# Altium PCB base-32-bit.PcbDoc (part 1 of 3) (continued)
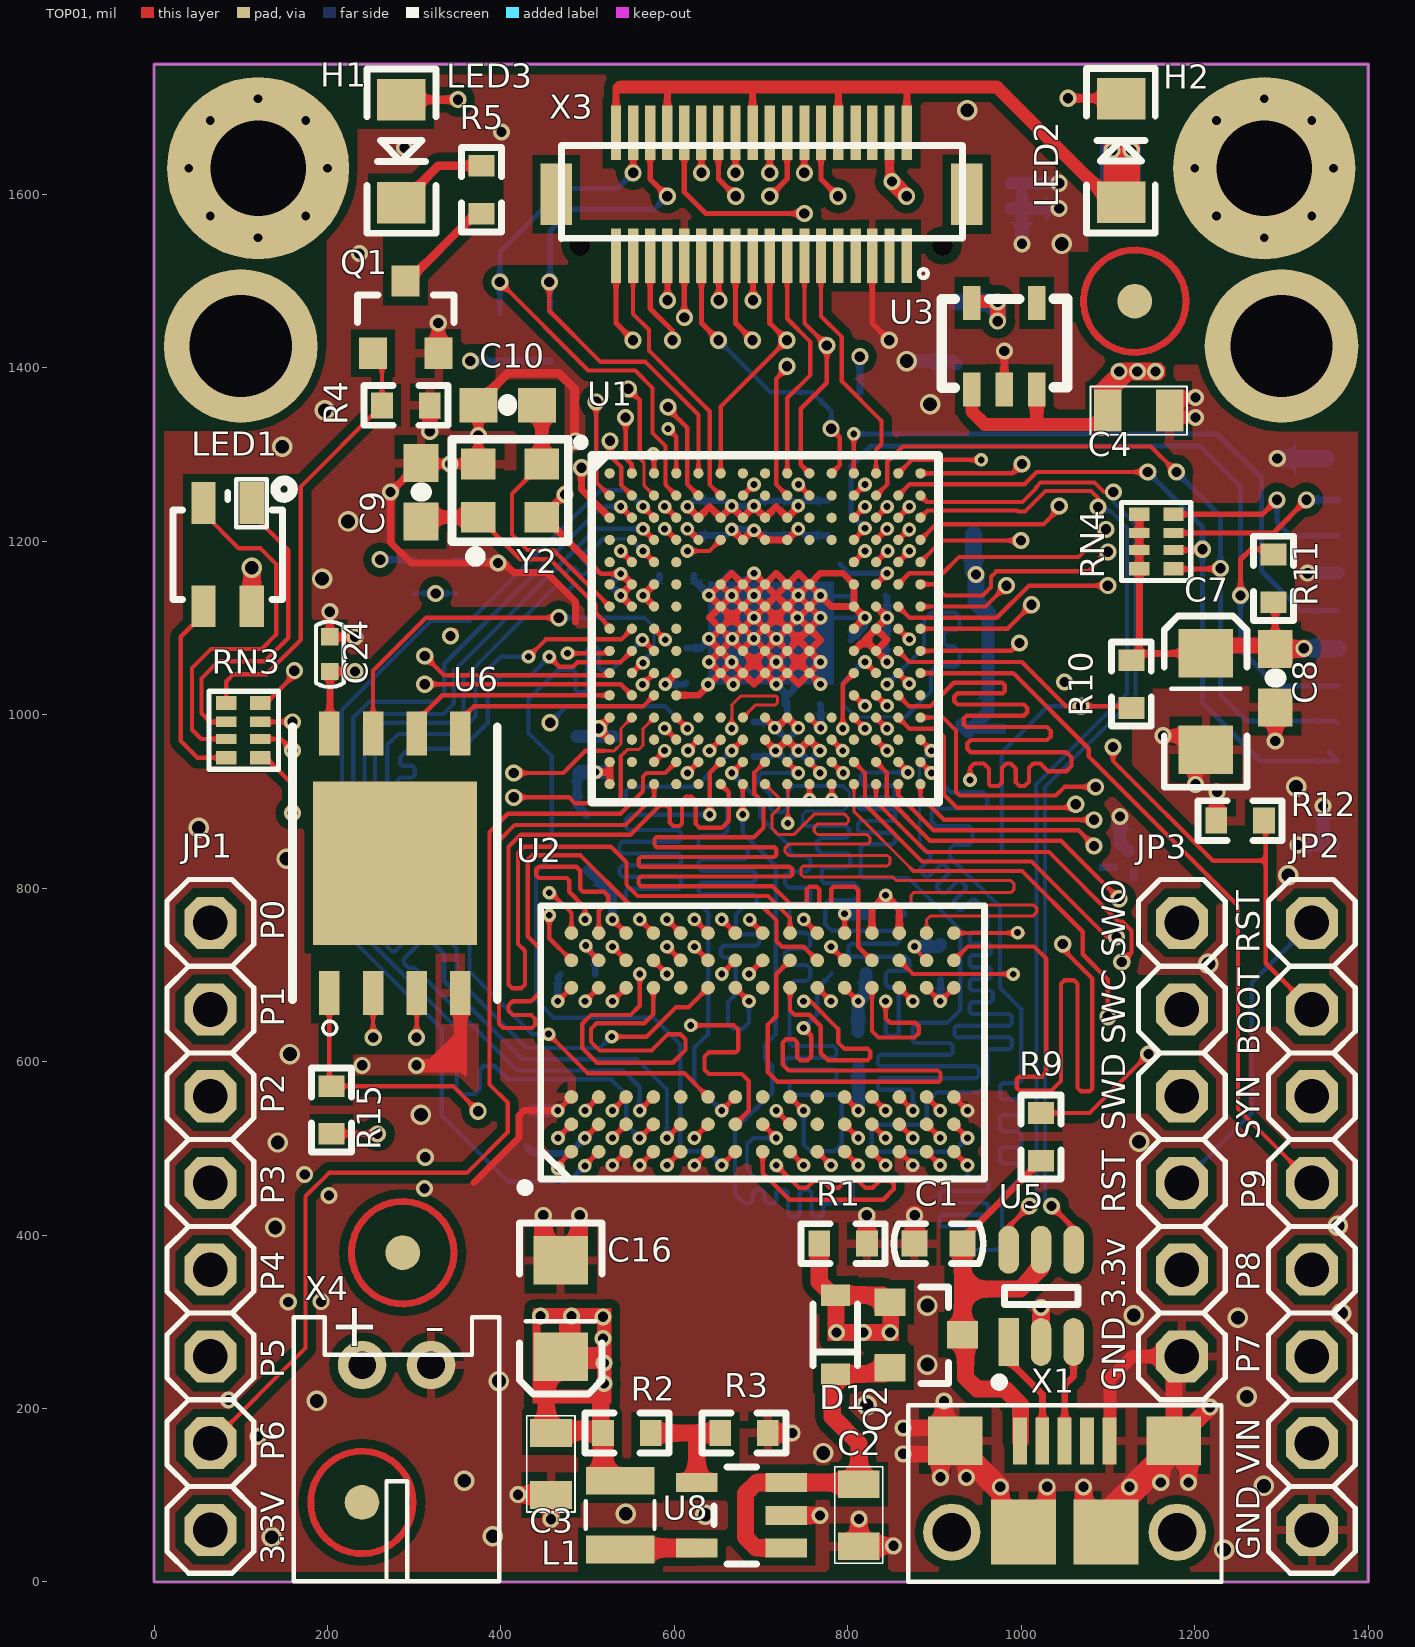
[diagram p0: TOP01 view]
## Components (designator, comment, footprint, x,y, rotation, side; value= is the part's Value field where it differs from the comment)
C1 "0.1UF" C0603 877.02,390 r0 top
C2 "22uF" 0805 812.76,76.69 r90 top
C3 "22uF" 0805 457.76,135.69 r90 top
C4 "1uF" 0805 1135.76,1350.69 r180 top
C5 "1uF" 0805 924.76,1439.69 r90 bottom
C6 "47uF" EIA3216 1055.76,1598.69 r0 bottom
C7 "47uF" EIA3216 1212.76,1014.69 r90 top
C8 "0.1uF" 0603-CAP 1292.76,1042.23 r270 top
C9 "12pF" 0603-CAP 307.76,1256.69 r270 top
C10 "12pF" 0603-CAP 407.76,1356.69 r0 top
C11 "2.2uF" C0402 770.76,1172.69 r180 bottom
C12 "2.2uF" C0402 747.76,1010.69 r180 bottom
C13 "1uF" C0402 486.76,954.69 r90 bottom
C14 "0.1uF" C0402 528.76,954.69 r90 bottom
C15 "1uF" C0402 347.76,1159.69 r90 bottom
C16 "47uF" EIA3216 468.76,315.69 r270 top
C17 "0.1uF" C0402 646.76,1226.69 r270 bottom
C18 "0.1uF" C0402 777.76,1226.69 r270 bottom
C19 "0.1uF" C0402 690.76,971.69 r90 bottom
C20 "0.1uF" C0402 823.76,1135.69 r180 bottom
C21 "0.1uF" C0402 823.76,1085.24 r180 bottom
C22 "0.1uF" C0402 612.76,1056.69 r90 bottom
C23 "0.1uF" C0402 716.76,1226.69 r270 bottom
C24 "0.1uF" C0402 203.76,1069.69 r90 top
C25 "0.1uF" C0402 602.76,1161.69 r0 bottom
C26 "0.1uF" C0402 428.76,521.69 r90 bottom
C27 "0.1uF" C0402 905.76,714.69 r90 bottom
C28 "0.1uF" C0402 812.76,614.69 r270 bottom
C29 "0.1uF" C0402 844.76,768.69 r180 bottom
C30 "0.1uF" C0402 488.76,701.69 r0 bottom
D1 "BAT60BE6327" SOD-323 785.76,284.69 r90 top
H1 "MOUNT-PAD-ROUND2.8" 2,8-PAD 120,1630 r90 top
H2 "MOUNT-PAD-ROUND2.8" 2,8-PAD 1280,1630 r270 top
JP1 "PINHD-1X8" 1X08 65,410 r270 top
JP2 "PINHD-1X8" 1X08 1335,410 r270 top
JP3 "PINHD-1X6" 1X06 1185,510 r270 top
L1 "4.7uH/1.4A" 1007 537.76,77.32 r180 top
L2 "MPZ1608S181ATAH0" 0603 498.76,853.19 r270 bottom
LED1 "LED-TRICOLOR" LED-TRICOLOR-SMD 85,1185 r0 top
LED2 "VSMY12850" LED-1206 1115,1650 r90 top
LED3 "VSMY12850" LED-1206 285,1650 r270 top
Q1 "BSS138" SOT23-3 289.96,1456.06 r0 top
Q2 "Si2301BDS" SOT23-3 888.02,285 r270 top
R1 "10K" R0603 822.02,390 r180 top
R2 "453K" R0603 572.76,171.69 r180 top
R3 "100K" R0603 707.76,171.69 r180 top
R4 "10K" R0603 317.96,1356.69 r180 top
R5 "10R" R0603 377.76,1577.69 r90 top
R6 "4.7K" R0603 456.76,1407.69 r90 bottom
R7 "4.7K" R0603 398.76,1407.69 r90 bottom
R8 "10K" R0402 820.76,701.69 r180 bottom
R9 "560R" R0603 1022.76,540.69 r270 top
R10 "10K" R0603 1126.76,1062.69 r270 top
R11 "10K" R0603 1290.76,1129.69 r90 top
R12 "10K" R0603 1224.76,877.69 r0 top
R13 "10K" R0402 299.76,1139.69 r90 bottom
R14 "10K" R0603 758.76,1371.69 r0 bottom
R15 "10K" R0603 204.76,571.69 r270 top
RN3 "220R" RCA-8P4R-0402 103.07,981.85 r90 top
RN4 "220R" RCA-8P4R-0402 1155.76,1199.69 r270 top
U1 "STM32H743IIK6" UFBGA-201_L10.0-W10.0-P0.65-TL_STM32H743IIK6 693.67,1099.92 r0 top locked
U2 "IS42S32800" BGA-90-8000X13000DE 481.3,496.22 r90 top locked
U3 "ME6211C33M5G-N" SOT-23-5 942.96,1374.69 r0 top
U5 "USBLC6-2SC6" SOT-23-6 985.36,276.69 r0 top
U6 "W25Q256JV" WSON-8_L8.0-W6.10-P1.27-BL-EP 277.76,828.68 r0 top
U8 "PAM2305AABADJ" TSOT25 677.76,76.69 r90 top
X1 "MF-CON-MICROUSB-RIGHT" MICROUSB-RIGHT 1049.74,112.69 r0 top
X2 "USD-1040310811" 1040310811 1375,1305 r270 bottom
X3 "DF12-36-DS" DF12-36-DS 700,1600 r0 top locked
X4 "S2B-PH-K-S(LF)(SN)" JST-PH-2-THM-RA 280,250 r180 top
Y2 "12M" OSC-SMD_4P-L2.5-W2.0-BL 410.52,1258.38 r0 top

## Footprints (in the part's own frame and the unit in brackets; to place one, negate y for a bottom-side part, rotate by r counter-clockwise, add the part's x,y. Pads: shape width x height; smd on the part's side, far side on the other; paste and mask are expansions set on the pad)
1X06 [mil] "1X06"
  oct 60x60 hole 40: 1(-250,0) 2(-150,0) 3(-50,0) 4(50,0) 5(150,0) 6(250,0)
  silkscreen extent -300,-50 300,50
1X08 [mil] "1X08"
  oct 60x60 hole 40: 1(-350,0) 2(-250,0) 3(-150,0) 4(-50,0) 5(50,0) 6(150,0) 7(250,0) 8(350,0)
  silkscreen extent -400,-50 400,50
2,8-PAD [mil] "2,8-PAD"
  round 210 / inner round 60 / far side round 210 hole 110.24: B2,8(0,0)
  body extent -141,-141 141,141, height 150
0603 [mil] "0603"
  rect 40x40 smd: 1(-31.5,0) 2(32,0)
  silkscreen extent -59,-28 60,28
0603-CAP [mil] "0603-CAP"
  rect 44x40 smd: 1(-33.46,0) 2(34,0)
  silkscreen extent 0,-1 0,2
0805 [mil] "0805"
  rect 32x48 smd: 1(-35.43,0) 2(36,0)
  silkscreen extent -55,-28 56,28
1007 [mil] "1007"
  rect 79x32 smd: 1(0,40) 2(0,-39.37)
  silkscreen extent -39,-16 40,16
1040310811 [mm] "1040310811"
  rect 1.2x1 smd: CD$1(11.74,10.1) CD$2(11.74,6.4)
  rect 1.17x1.8 smd: G(0.245,0.6)
  rect 1.9x1.35 smd: G(2.27,11.075) G(8.24,11.075)
  rect 1.55x1.35 smd: G(11.565,0.375)
  rect 0.85x1.1 smd: P$1(9.105,0.25) P$2(8.005,0.25) P$3(6.905,0.25) P$4(5.805,0.25) P$5(4.705,0.25) P$6(3.605,0.25) P$7(2.505,0.25)
  rect 0.75x1.1 smd: P$8(1.455,0.25)
  silkscreen extent 0,0 12,11.4, body extent -0.34,-0.3 12.34,11.75, height 1.27
BGA-90-8000X13000DE [mil]
  round 15.75 smd: A1(0,0) A2(31.5,0) A3(62.99,0) A7(188.98,0) A8(220.47,0) A9(251.97,0) B1(0,-31.5) B2(31.5,-31.5) B3(62.99,-31.5) B7(188.98,-31.5) B8(220.47,-31.5) B9(251.97,-31.5) C1(0,-62.99) C2(31.5,-62.99) C3(62.99,-62.99) C7(188.98,-62.99) C8(220.47,-62.99) C9(251.97,-62.99) D1(0,-94.49) D2(31.5,-94.49) D3(62.99,-94.49) D7(188.98,-94.49) D8(220.47,-94.49) D9(251.97,-94.49) E1(0,-125.98) E2(31.5,-125.98) E3(62.99,-125.98) E7(188.98,-125.98) E8(220.47,-125.98) E9(251.97,-125.98) F1(0,-157.48) F2(31.5,-157.48) F3(62.99,-157.48) F7(188.98,-157.48) F8(220.47,-157.48) F9(251.97,-157.48) G1(0,-188.98) G2(31.5,-188.98) G3(62.99,-188.98) G7(188.98,-188.98) G8(220.47,-188.98) G9(251.97,-188.98) H1(0,-220.47) H2(31.5,-220.47) H3(62.99,-220.47) H7(188.98,-220.47) H8(220.47,-220.47) H9(251.97,-220.47) J1(0,-251.97) J2(31.5,-251.97) J3(62.99,-251.97) J7(188.98,-251.97) J8(220.47,-251.97) J9(251.97,-251.97) K1(0,-283.46) K2(31.5,-283.46) K3(62.99,-283.46) K7(188.98,-283.46) K8(220.47,-283.46) K9(251.97,-283.46) L1(0,-314.96) L2(31.5,-314.96) L3(62.99,-314.96) L7(188.98,-314.96) L8(220.47,-314.96) L9(251.97,-314.96) M1(0,-346.46) M2(31.5,-346.46) M3(62.99,-346.46) M7(188.98,-346.46) M8(220.47,-346.46) M9(251.97,-346.46) N1(0,-377.95) N2(31.5,-377.95) N3(62.99,-377.95) N7(188.98,-377.95) N8(220.47,-377.95) N9(251.97,-377.95) P1(0,-409.45) P2(31.5,-409.45) P3(62.99,-409.45) P7(188.98,-409.45) P8(220.47,-409.45) P9(251.97,-409.45) R1(0,-440.94) R2(31.5,-440.94) R3(62.99,-440.94) R7(188.98,-440.94) R8(220.47,-440.94) R9(251.97,-440.94)
  silkscreen extent -46,-476 283,58
C0402 [mil]
  rect 20x20 smd: 1(-20,1) 2(20,1)
  silkscreen extent -38,-15 38,17, body extent -20,-9 20,11, height 14
C0603 [mil]
  rect 29.92x30 smd: 1(0,0) 2(55,0)
  silkscreen extent -24,-23 79,23, body extent -3,-16 59,15, height 18
DF12-36-DS [mil] "DF12-36-DS"
  round 24 hole 24: 1(-208.66,-59.06) 1(209,-59.06)
  rect 12x63 smd: 1(168,-70.87) 2(168,71) 3(148,-70.87) 4(148,71) 5(128,-70.87) 6(128,71) 7(109,-70.87) 8(109,71) 9(89,-70.87) 10(89,71) 11(69,-70.87) 12(69,71) 13(50,-70.87) 14(50,71) 15(30,-70.87) 16(30,71) 17(10,-70.87) 18(10,71) 19(-9.84,-70.87) 20(-9.84,71) 21(-29.53,-70.87) 22(-29.53,71) 23(-49.21,-70.87) 24(-49.21,71) 25(-68.9,-70.87) 26(-68.9,71) 27(-88.58,-70.87) 28(-88.58,71) 29(-108.27,-70.87) 30(-108.27,71) 31(-127.95,-70.87) 32(-127.95,71) 33(-147.64,-70.87) 34(-147.64,71) 35(-167.32,-70.87) 36(-167.32,71)
  rect 36x71 smd: F1(237,0) F2(-236.22,0)
  silkscreen extent -230,-96 232,56
EIA3216 [mil] "EIA3216"
  rect 56x63 smd: A(56,0) C(-55.12,0)
  silkscreen extent -98,-47 99,48
JST-PH-2-THM-RA [mil] "JST-PH-2-THM-RA"
  round 56 hole 32: 1(40,0) 2(-39.37,0)
  silkscreen extent -118,-55 119,249
LED-1206 [mil] "LED-1206"
  rect 48x56 smd: A(-59.06,0) C(60,0)
  silkscreen extent -94,-39 95,40
LED-TRICOLOR-SMD [mil] "LED-TRICOLOR-SMD"
  rect 28x48 smd: A(27.56,-60) B(-28,-60) G(-28,59.06) R(27.56,59.06)
  silkscreen extent -63,-52 75,85
MICROUSB-RIGHT [mil] "MICROUSB-RIGHT"
  rect 16x54 smd: 1(-51.18,50) 2(-25.59,50) 3(0,50) 4(26,50) 5(52,50)
  rect 63x56 smd: S(-125.98,50) S(126,50)
  rect 75x75 smd: S(-47.24,-55.32) S(48,-55.32)
  round 66 hole 44: S1(-129.92,-55.32) S2(130,-55.32)
  silkscreen extent -180,-112 181,91
OSC-SMD_4P-L2.5-W2.0-BL [mm]
  rect 1x0.9 smd: 1(-0.93,-0.78) 2(0.93,-0.78) 3(0.93,0.78) 4(-0.93,0.78)
  silkscreen extent -1.7,-2.08 1.7,1.5
R0402 [mil]
  rect 22x20 smd: 1(0,0) 2(39,0)
  silkscreen extent -18,-17 57,17, body extent 0,-10 40,10, height 14
R0603 [mil]
  rect 25x30 smd: 1(0,0) 2(55,0)
  silkscreen extent -21,-23 76,23, body extent -4,-15 59,16, height 18
RCA-8P4R-0402 [mm] "2mm*1mm*0.45mm(长*宽*厚)"
  rect 0.4x0.6 smd: 1(-0.8,-0.5) 4(0.8,-0.5) 5(0.8,0.5) 8(-0.8,0.5)
  rect 0.3x0.6 smd: 2(-0.25,-0.5) 3(0.25,-0.5) 6(0.25,0.5) 7(-0.25,0.5)
  silkscreen extent -1.14,-1.02 1.15,1.01, body extent -1,-0.5 1,0.5, height 0.45
SOD-323 [mil] "SOD-323"
  rect 25x33 smd: 1(-45.28,0) 2(46,0)
  silkscreen extent -35,-26 36,26
SOT23-3 [mil] "SOT23-3"
  rect 32x36 smd: 1(-37.4,-39.37) 2(38,-39.37) 3(0,44)
  silkscreen extent -55,-4 56,28
SOT-23-5 [mm]
  rect 0.508x1 smd: 1(0,0) 2(0.95,0) 3(1.9,0) 4(1.9,2.54) 5(0,2.54)
  silkscreen extent -0.89,0.06 2.79,2.67, body extent -0.51,-0.04 2.39,2.76, height 1.45
SOT-23-6 [mm]
  rect 0.6x1.4 smd: 1(0,0)
  oval 0.6x1.4 smd: 2(0.95,0) 3(1.9,0) 4(1.9,2.7) 5(0.95,2.7) 6(0,2.7)
  silkscreen extent -0.4,-1.3 2.03,1.6, body extent -0.46,0.14 2.34,2.57, height 1.07
TSOT25 [mil] "TSOT25"
  rect 22x48 smd: 1(-37.4,-51.19) 2(0,-51.19) 3(38,-51.19) 4(38,52) 5(-37.4,52)
  silkscreen extent -56,-17 56,32
UFBGA-201_L10.0-W10.0-P0.65-TL_STM32H743IIK6 [mm]
  round 0.3 smd: A1(-4.274,4.528) A2(-3.624,4.528) A3(-2.974,4.528) A4(-2.324,4.528) A5(-1.674,4.528) A6(-1.024,4.528) A7(-0.374,4.528) A8(0.276,4.528) A9(0.926,4.528) A10(1.576,4.528) A11(2.226,4.528) A12(2.876,4.528) A13(3.526,4.528) A14(4.176,4.528) A15(4.826,4.528) B1(-4.274,3.878) B2(-3.624,3.878) B3(-2.974,3.878) B4(-2.324,3.878) B5(-1.674,3.878) B6(-1.024,3.878) B7(-0.374,3.878) B8(0.276,3.878) B9(0.926,3.878) B10(1.576,3.878) B11(2.226,3.878) B12(2.876,3.878) B13(3.526,3.878) B14(4.176,3.878) B15(4.826,3.878) C1(-4.274,3.228) C2(-3.624,3.228) C3(-2.974,3.228) C4(-2.324,3.228) C5(-1.674,3.228) C6(-1.024,3.228) C7(-0.374,3.228) C8(0.276,3.228) C9(0.926,3.228) C10(1.576,3.228) C11(2.226,3.228) C12(2.876,3.228) C13(3.526,3.228) C14(4.176,3.228) C15(4.826,3.228) D1(-4.274,2.578) D2(-3.624,2.578) D3(-2.974,2.578) D4(-2.324,2.578) D5(-1.674,2.578) D6(-1.024,2.578) D7(-0.374,2.578) D8(0.276,2.578) D9(0.926,2.578) D10(1.576,2.578) D11(2.226,2.578) D12(2.876,2.578) D13(3.526,2.578) D14(4.176,2.578) D15(4.826,2.578) E1(-4.274,1.928) E2(-3.624,1.928) E3(-2.974,1.928) E4(-2.324,1.928) E12(2.876,1.928) E13(3.526,1.928) E14(4.176,1.928) E15(4.826,1.928) F1(-4.274,1.278) F2(-3.624,1.278) F3(-2.974,1.278) F4(-2.324,1.278) F6(-1.024,1.278) F7(-0.374,1.278) F8(0.276,1.278) F9(0.926,1.278) F10(1.576,1.278) F12(2.876,1.278) F13(3.526,1.278) F14(4.176,1.278) F15(4.826,1.278) G1(-4.274,0.628) G2(-3.624,0.628) G3(-2.974,0.628) G4(-2.324,0.628) G6(-1.024,0.628) G7(-0.374,0.628) G8(0.276,0.628) G9(0.926,0.628) G10(1.576,0.628) G12(2.876,0.628) G13(3.526,0.628) G14(4.176,0.628) G15(4.826,0.628) H1(-4.274,-0.022) H2(-3.624,-0.022) H3(-2.974,-0.022) H4(-2.324,-0.022) H6(-1.024,-0.022) H7(-0.374,-0.022) H8(0.276,-0.022) H9(0.926,-0.022) H10(1.576,-0.022) H12(2.876,-0.022) H13(3.526,-0.022) H14(4.176,-0.022) H15(4.826,-0.022) J1(-4.274,-0.672) J2(-3.624,-0.672) J3(-2.974,-0.672) J4(-2.324,-0.672) J6(-1.024,-0.672) J7(-0.374,-0.672) J8(0.276,-0.672) J9(0.926,-0.672) J10(1.576,-0.672) J12(2.876,-0.672) J13(3.526,-0.672) J14(4.176,-0.672) J15(4.826,-0.672) K1(-4.274,-1.322) K2(-3.624,-1.322) K3(-2.974,-1.322) K4(-2.324,-1.322) K6(-1.024,-1.322) K7(-0.374,-1.322) K8(0.276,-1.322) K9(0.926,-1.322) K10(1.576,-1.322) K12(2.876,-1.322) K13(3.526,-1.322) K14(4.176,-1.322) K15(4.826,-1.322) L1(-4.274,-1.972) L2(-3.624,-1.972) L3(-2.974,-1.972) L4(-2.324,-1.972) L12(2.876,-1.972) L13(3.526,-1.972) L14(4.176,-1.972) L15(4.826,-1.972) M1(-4.274,-2.622) M2(-3.624,-2.622) M3(-2.974,-2.622) M4(-2.324,-2.622) M5(-1.674,-2.622) M6(-1.024,-2.622) M7(-0.374,-2.622) M8(0.276,-2.622) M9(0.926,-2.622) M10(1.576,-2.622) M11(2.226,-2.622) M12(2.876,-2.622) M13(3.526,-2.622) M14(4.176,-2.622) M15(4.826,-2.622) N1(-4.274,-3.272) N2(-3.624,-3.272) N3(-2.974,-3.272) N4(-2.324,-3.272) N5(-1.674,-3.272) N6(-1.024,-3.272) N7(-0.374,-3.272) N8(0.276,-3.272) N9(0.926,-3.272) N10(1.576,-3.272) N11(2.226,-3.272) N12(2.876,-3.272) N13(3.526,-3.272) N14(4.176,-3.272) N15(4.826,-3.272) P1(-4.274,-3.922) P2(-3.624,-3.922) P3(-2.974,-3.922) P4(-2.324,-3.922) P5(-1.674,-3.922) P6(-1.024,-3.922) P7(-0.374,-3.922) P8(0.276,-3.922) P9(0.926,-3.922) P10(1.576,-3.922) P11(2.226,-3.922) P12(2.876,-3.922) P13(3.526,-3.922) P14(4.176,-3.922) P15(4.826,-3.922) R1(-4.274,-4.572) R2(-3.624,-4.572) R3(-2.974,-4.572) R4(-2.324,-4.572) R5(-1.674,-4.572) R6(-1.024,-4.572) R7(-0.374,-4.572) R8(0.276,-4.572) R9(0.926,-4.572) R10(1.576,-4.572) R11(2.226,-4.572) R12(2.876,-4.572) R13(3.526,-4.572) R14(4.176,-4.572) R15(4.826,-4.572)
  silkscreen extent -5.22,-5.1 5.36,5.54
WSON-8_L8.0-W6.10-P1.27-BL-EP [mm]
  rect 4.8x4.8 smd: 0(0,0)
  rect 0.6x1.3 smd: 1(-1.92,-3.8) 2(-0.64,-3.8) 3(0.64,-3.8) 4(1.92,-3.8) 5(1.92,3.8) 6(0.64,3.8) 7(-0.64,3.8) 8(-1.92,3.8)
  silkscreen extent -3,-5.03 3,4

## Part data
C1 C2 C3 C4 C5: library part CAP0805, "CapacitorStandard 0603 ceramic capacitor, and 0.1\" leaded capacitor."
C6 C7 C16: library part CAP_POL1206, "Capacitor PolarizedThese are standard SMD and PTH capacitors. Normally 10uF, 47uF, and 100uF in electrolytic and tantalum varieties. Always verify the external diameter of the through hole cap, it varies with capacity, voltage, and manufacturer. The EIA devices should be standard."
C8 C9 C10 C11 C12: library part CAP0603-CAP, "CapacitorStandard 0603 ceramic capacitor, and 0.1\" leaded capacitor."
C13 C14 C15 C17 C18 C19 C20 C21 C22 C23 C24 C25 C26 C27 C28 C29 C30: library part CAP0402-CAP, "CapacitorStandard 0603 ceramic capacitor, and 0.1\" leaded capacitor."
D1: library part DIODESOD, "DiodeThese are standard reverse protection diodes and small signal diodes. SMA package can handle up to about 1A. SOD-323 can handle about 200mA. What the SOD-323 package when ordering, there are some mfgs out there that are 5-pin packages."
H1 H2: "MOUNTING PAD, round"
JP1 JP2 JP3: "PIN HEADER"
L1: library part INDUCTOR1007, "InductorsBasic Inductor/Choke - 0603 and 1206. Footprints are not proven and vary greatly between part numbers."
L2: library part INDUCTOR0603, "InductorsBasic Inductor/Choke - 0603 and 1206. Footprints are not proven and vary greatly between part numbers."
LED1: "Tri-Color LED SMDProven layout and schematic for triple color LED in SMD package - common anode. Spark Fun Electronics SKU : COM-07844"
LED2 LED3: library part LED1206, "LEDsStandard schematic elements and footprints for 5mm, 3mm, 1206, and 0603 sized LEDs. 5mm - Spark Fun Electronics SKU : COM-00529 (and others)"
Q1: library part MOSFET-NCHANNELSMD
Q2: library part MOSFET-PCHANNELSMD
R1 R2 R3 R4 R5 R6 R7 R9 R10 R11 R12 R13 R14: library part RESISTOR0603-RES, "ResistorBasic schematic elements and footprints for 0603, 1206, and PTH resistors."
R8 R15: library part RESISTOR0402-RES, "ResistorBasic schematic elements and footprints for 0603, 1206, and PTH resistors."
RN3 RN4: library part 排阻_4P
U6: library part W25Q128JVSQ
U8: library part PAM2305AAB330
X1: library part USB_MICRO_RIGHT, "Library:  MF_Connectors Description: 5 Pin USB Connectors. SLD is the shield connection. Usually tied to ground through a small ferrite bead."
X4: library part JST_2PIN-THM-RA, "JST 2-Pin Connectors of various flavors SMT-RA (S2B-PH-SM4) 4UConnector #17311  SMT  (B2B-PH-SM4)  THM-RA (S2B-PH)  THM  (B2B-PH)"
Y2: library part XTAL-NV-4

## Free pads (board coordinates)
  round 40 smd mask+40: 0(239.76,91.69) 0(286.76,379.69) 0(1130.76,1476.69)
  round 40 smd far side mask+40: 0(286.76,379.69) 0(1130.76,1476.69)
  round 177.17 / inner round 60 / far side round 177.17 hole 118.11: P$1(100,1425) P$1(1300,1425)

## Via types
v1: diameter 15.75, hole 7.87, TOP01 to BOTT06, tented both sides, 184 vias
v2: diameter 19.68, hole 11.81, TOP01 to BOTT06, tented both sides, 168 vias
v3: diameter 23.62, hole 15.75, TOP01 to BOTT06, tented both sides, 37 vias
v4: diameter 18/18/18/18 (per signal layer), hole 10, TOP01 to BOTT06, tented both sides, 16 vias

## Nets (pads, with @x,y where several pads share a name; then routed paths per layer and width w, separated by ;. In a path a pad name is that pad's centre, name@x,y a point inside that pad or via, vN(x,y) a via of type N, cw(c..) or ccw(c..) an arc to the next point about the centre after c; other vN are vias at no path point)
BOOT0: JP2.2 R12.2 U1.D6 | length 1290.1
  TOP01 w5: v1(614.98,1188.62) 640.55,1188.62 U1.D6@653.35,1201.42 ; v2(1105.76,962.69) 1105.76,946.83 1107.49,945.1 1107.49,944.96 1220.76,831.69 1281.76,831.69 ; R12.2@1279.76,877.69 1281.76,875.69 1281.76,831.69 ; JP2.2@1335,660 1281.76,713.24 1281.76,831.69
  SIG03 w3.5: v1(614.98,1188.62) 653.69,1227.34 780.41,1227.34
  SIG03 w5: 780.41,1227.34 787.76,1234.69 787.76,1270.69 800.76,1283.69 896.76,1283.69 957.76,1222.69 957.76,1181.55 965.1,1174.21 965.1,1121.35 977.76,1108.69 1005.76,1108.69 1105.76,1008.69 v2(1105.76,962.69)
DAC: JP1.7 U1.P4 | length 1207.4
  TOP01 w5: JP1.7@65,160 174.73,269.72 174.73,444.66 201.76,471.69 360.76,471.69 407.76,518.69 407.76,552.69 386.76,573.69 386.76,864.69 407.76,885.69 537.79,885.69 563.79,911.69 563.79,928.72 567.76,932.69 589.36,932.69 U1.P4@602.17,945.51
DCMI_CLK: U1.F15 X3.12 | length 869.9
  TOP01 w5: U1.F15@883.67,1150.24 899.31,1150.24 912.1,1137.45 955.52,1137.45 965.1,1147.03 965.1,1159.03 971.26,1165.19 1077.26,1165.19 v2(1099.76,1187.69)
  TOP01 w6: X3.12@769,1671 769,1617.45 v2(788.76,1597.69)
  SIG03 w5: v2(788.76,1597.69) 788.76,1566.69 1071.1,1284.35 1071.1,1215.82 1099.23,1187.69 v2(1099.76,1187.69)
DCMI_D0: U1.H15 X3.31 | length 836.8
  TOP01 w5: U1.H15@883.67,1099.06 984.13,1099.06 v2(1011.76,1126.69)
  TOP01 w6: X3.31@572.05,1529.13 572.05,1468.4 597.76,1442.69 v2(597.76,1431.69)
  SIG03 w5: v2(597.76,1431.69) 597.76,1425.66 652.73,1370.69 844.62,1370.69 982.76,1232.55 982.76,1208.22 982.42,1207.87 982.42,1191.03 1011.76,1161.69 v2(1011.76,1126.69)
DCMI_D1: U1.G15 X3.29 | length 784.3
  TOP01 w5: U1.G15@883.67,1124.65 958.72,1124.65 v2(982.76,1148.69)
  TOP01 w6: v2(592.13,1477.69) X3.29@592.13,1528.73
  SIG03 w5: v2(592.13,1477.69) 571.76,1457.32 571.76,1426.69 642.76,1355.69 841.76,1355.69 969.76,1227.69 969.76,1183.69 982.76,1170.69 v2(982.76,1148.69)
DCMI_D2: U1.B10 X3.35 | length 398.7
  TOP01 w5: v1(742.93,1265.4) U1.B10@755.72,1252.6
  TOP01 w6: X3.35@532.68,1529.13 532.68,1451.38 v2(552.36,1431.69)
  SIG03 w5: v2(552.36,1431.69) 641.36,1342.69 692.76,1342.69 742.76,1292.69 v1@742.76,1265.69
DCMI_D3: U1.B9 X3.28 | length 562.1
  TOP01 w5: v2(729.76,1401.69) 729.76,1399.69 717.33,1387.26 717.33,1265.41 U1.B9@730.13,1252.6
  TOP01 w6: X3.28@611.42,1671 611.42,1602.45 636.18,1577.69 v2(749.76,1577.69)
  SIG04 w5: v2(729.76,1401.69) 731.76,1401.69 749.76,1419.69 v2(749.76,1577.69)
DCMI_D4: U1.B1 X3.26 | length 554
  TOP01 w5: v2(509.76,1360.69) 509.76,1268.24 U1.B1@525.4,1252.6
  TOP01 w6: v2(631.18,1624.69) X3.26@631.18,1670.28
  SIG03 w5: v2(509.76,1360.69) 490.76,1379.69 490.76,1497.69 542.76,1549.69 626.76,1549.69 648.76,1571.69 648.76,1607.11 v2(631.18,1624.69)
DCMI_D5: U1.B6 X3.33 | length 318.4
  TOP01 w5: X3.33@552.36,1529.13 552.36,1462.09 570.76,1443.69 570.76,1419.69 640.57,1349.89 640.57,1265.39 U1.B6@653.36,1252.6
DCMI_D6: U1.B2 X3.24 | length 577.7
  TOP01 w5: v2(525.76,1315.69) 525.76,1298.61 538.76,1285.61 538.76,1264.84 U1.B2@551,1252.6
  TOP01 w6: X3.24@650.79,1671 650.79,1617.66 v2(670.76,1597.69)
  SIG03 w3.5: 502.76,1396.69 525.76,1373.69 v2(525.76,1315.69)
  SIG03 w5: 502.76,1396.69 502.76,1488.69 549.76,1535.69 654.76,1535.69 670.76,1551.69 v2(670.76,1597.69)
DCMI_D7: U1.B3 X3.22 | length 594.7
  TOP01 w3.5: 560.04,1295.41 564.76,1290.69 564.76,1264.43 U1.B3@576.59,1252.6
  TOP01 w5: v2(546.76,1375.69) 560.04,1362.41 560.04,1295.41
  TOP01 w6: v2(670.55,1624.69) X3.22@670.55,1670.28
  SIG03 w5: v2(546.76,1375.69) 541.76,1375.69 518.76,1398.69 518.76,1486.69 550.76,1518.69 669.76,1518.69 691.73,1540.66 691.73,1603.5 v2(670.55,1624.69)
DCMI_FSIN: JP2.3 X3.23 | length 1385.2
  TOP01 w6: v2(651.19,1477.69) X3.23@651.19,1528.73
  SIG03 w5: v2(651.19,1477.69) 670.19,1458.69 697.76,1458.69 711.76,1472.69 863.76,1472.69 1061.1,1275.35 1061.1,1211.68 1078.76,1194.02 1078.76,1137.69 1265.76,950.69 1265.76,629.24 JP2.3@1335,560
DCMI_HSYNC: U1.N4 X3.18 | length 945.9
  TOP01 w5: v1@589.38,983.89 U1.N4@602.17,971.1
  TOP01 w6: v2(709.92,1624.69) X3.18@709.92,1670.28
  SIG04 w5: v1(588.71,984.39) 588.72,996.65 614.76,1022.69 614.76,1159.69 630.28,1175.21 630.28,1245.54 594.13,1281.69 572.76,1281.69 560.76,1293.69 560.76,1310.69 572.76,1322.69 572.76,1359.22 579.7,1366.16 579.7,1434.75 546.76,1467.69 546.76,1595.69 594.76,1643.69 690.92,1643.69 v2(709.92,1624.69)
DCMI_PCLK: U1.P3 X3.14 | length 1048.9
  TOP01 w5: U1.P3@576.58,945.51 v1@586.76,955.7
  TOP01 w6: v2(749.76,1624.69) X3.14@749.76,1670.28
  SIG04 w3.5: 601.85,1168.69 601.85,1252.6
  SIG04 w5: v1(588.71,958.54) 573.34,973.91 573.34,997.29 604.76,1028.71 604.76,1165.78 601.85,1168.69 ; 601.85,1252.6 583.76,1270.69 566.76,1270.69 549.76,1287.69 549.76,1315.69 561.1,1327.03 561.1,1361.7 566.76,1367.36 566.76,1390.69 529.76,1427.69 529.76,1627.69 558.76,1656.69 717.76,1656.69 v2(749.76,1624.69)
DCMI_PWDN: R14.1 U1.A11 X3.25 | length 352.1
  TOP01 w5: v2(780.76,1329.69) 790.76,1319.69 790.76,1287.64 781.31,1278.19 U1.A11@781.31,1281.24
  TOP01 w6: X3.25@631.1,1529.13 631.1,1451.38 v2(650.79,1431.69)
  BOTT06 w5: v2(650.79,1431.69) 710.79,1371.69 R14.1@758.76,1371.69 780.76,1349.69 v2(780.76,1329.69)
DCMI_RST: U1.D15 X3.21 | length 758.9
  TOP01 w5: U1.D15@883.67,1201.42 901.94,1219.69 1025.76,1219.69 1043.76,1237.69 v2(1043.76,1240.69)
  TOP01 w6: X3.21@670.47,1529.13 670.47,1451.38 v2(690.16,1431.69)
  SIG03 w5: v2(690.16,1431.69) 720.16,1461.69 852.76,1461.69 1034.78,1279.67 1043.76,1270.69 1043.76,1256.69 v2(1043.76,1240.69)
DCMI_VSYNC: U1.B5 X3.16 | length 601.8
  TOP01 w5: v2(592.76,1354.69) 592.76,1352.69 614.76,1330.69 614.76,1265.61 U1.B5@627.77,1252.6
  TOP01 w6: v2@710.76,1597.69 710.76,1598.21 730,1617.45 X3.16@730,1671
  SIG03 w5: v2(592.76,1354.69) 592.76,1360.69 535.52,1417.93 535.52,1474.45 563.76,1502.69 674.76,1502.69 709.92,1537.85 v2(709.92,1597.69)
DRAM_A0: U1.E2 U2.G8 | length 1070.1
  TOP01 w5: v1(538.18,1188.62) U1.E2@550.99,1175.83 ; v1(654.53,700.94) U2.G8@670.28,716.69
  SIG04 w5: v1(538.18,1188.62) 522.35,1172.79 522.35,1009.1 531.76,999.69 531.76,926.69 514.76,909.69 514.76,841.69 471.68,798.61 471.68,762.61 449.76,740.69 449.76,723.69 462.76,710.69 462.76,693.69 449.76,680.69 449.76,659.69 472.76,636.69 472.76,616.69 449.76,593.69 449.76,571.69 460.76,560.69 635.76,560.69 654.53,579.46 v1(654.53,700.94)
DRAM_A1: U1.H3 U2.G9 | length 1051.6
  TOP01 w5: U1.H3@576.58,1099.06 v1(589.38,1086.26) ; v1(654.53,763.94) U2.G9@670.28,748.19
  SIG04 w3.5: 546.05,1065.98 553.21,1073.14 576.25,1073.14 v1(589.38,1086.26)
  SIG04 w5: 546.05,1065.98 546.05,1021.4 560.76,1006.69 560.76,969.69 560.76,966.31 564.14,962.94 568.32,962.94 571.69,959.56 571.69,952.81 568.32,949.43 560.76,949.43 557.38,946.06 557.38,939.31 560.76,935.93 583.49,935.93 586.86,932.55 586.86,925.8 583.49,922.43 560.76,922.43 557.38,919.05 557.38,912.3 560.76,908.92 583.49,908.92 586.86,905.55 586.86,898.79 583.49,895.42 560.76,895.42 545.78,895.42 542.41,892.04 542.41,885.29 545.78,881.91 560.76,881.91 583.49,881.91 586.86,878.54 586.86,871.79 583.49,868.41 560.76,868.41 545.78,868.41 542.41,865.03 542.41,858.28 545.78,854.91 560.76,854.91 583.49,854.91 586.86,851.53 586.86,844.78 583.49,841.4 560.76,841.4 545.78,841.4 542.41,838.03 542.41,831.28 545.78,827.9 560.76,827.9 583.49,827.9 586.86,824.52 586.86,817.77 583.49,814.4 536.47,814.4 532.76,810.69 532.76,802.69 536.76,798.69 608.76,798.69 611.76,795.69 611.76,786.69 608.76,783.69 550.95,783.69 544.67,777.4 544.67,755.78 552.64,747.81 638.4,747.81 v1(654.53,763.94)
DRAM_A2: U1.H2 U2.F7 | length 1037.1
  TOP01 w5: v1(431.76,1066.69) 451.83,1086.76 538.71,1086.76 U1.H2@550.99,1099.06 ; v1(527.76,628.69) 567.76,628.69 601.76,662.69 616.27,662.69 U2.F7@638.78,685.2 623.03,669.45
  BOTT06 w5: v1(431.76,1066.69) 399.76,1066.69 370.76,1037.69 370.76,997.69 350.76,977.69 281.76,977.69 268.76,964.69 268.76,810.69 348.76,730.69 348.76,696.69 429.76,615.69 513.76,615.69 526.76,628.69 v1(527.76,628.69)
DRAM_A3: U1.J2 U2.F3 | length 1024.7
  TOP01 w5: v1(454.76,631.69) 499.76,586.69 611.3,586.69 U2.F3@638.78,559.21 ; v1(455.76,1066.69) 467.13,1055.32 483.13,1055.32 488.16,1060.34 537.86,1060.34 U1.J2@550.99,1073.47
  BOTT06 w5: v1(454.76,631.69) 435.76,631.69 363.76,703.69 363.76,744.69 283.76,824.69 283.76,890.69 283.76,897.73 286.46,900.43 297.79,900.43 300.49,903.13 300.49,911.23 297.79,913.93 283.76,913.93 281.06,916.63 281.06,924.73 283.76,927.43 297.79,927.43 300.49,930.14 300.49,938.24 297.79,940.94 286.46,940.94 283.76,943.64 283.76,947.69 283.76,950.69 293.76,960.69 354.76,960.69 384.76,990.69 384.76,1029.08 400.38,1044.69 433.76,1044.69 v1(455.76,1066.69)
DRAM_A4: U1.J3 U2.G1 | length 1021.8
  TOP01 w5: v1(563.12,1086.27) 563.79,1086.27 U1.J3@576.58,1073.47 ; v1(654.52,480.47) U2.G1@670.28,496.22
  BOTT06 w5: v1(563.12,1086.27) 528.55,1051.69 524.76,1051.69 515.72,1051.69 513.02,1054.39 513.02,1074.81 510.32,1077.51 502.22,1077.51 499.52,1074.81 499.52,1051.69 499.52,1028.57 496.82,1025.87 488.72,1025.87 486.02,1028.57 486.02,1048.99 483.32,1051.69 472.51,1051.69 465.76,1051.69 431.76,1017.69 431.76,978.69 458.76,951.69 458.76,836.69 440.39,818.32 440.39,671.06 460.76,650.69 575.76,650.69 606.9,619.55 606.9,505.6 606.76,505.46 606.76,502.69 612.85,496.6 629.4,496.6 629.49,496.69 638.3,496.69 v1(654.52,480.47)
DRAM_A5: U1.K3 U2.G2 | length 1063.3
  TOP01 w5: v1(563.3,1034.58) U1.K3@576.58,1047.87 ; v1(618.76,641.69) 668.76,641.69 673.76,636.69 673.76,613.69 670.76,610.69 639.76,610.69 634.76,605.69 634.76,590.69 639.76,585.69 677.76,585.69 685.76,577.69 685.76,543.2 U2.G2@670.28,527.72
  SIG03 w3.5: 510.76,908.69 524.76,922.69 524.76,942.69 515.76,951.69 515.76,959.69 530.76,974.69 530.76,991.69 507.76,1014.69 507.76,1029.69 526.76,1048.69 549.18,1048.69 v1(563.3,1034.58)
  SIG03 w5: 510.76,908.69 510.76,802.69 483.92,775.85 483.92,772.56 481.68,770.31 481.68,757.57 483.92,755.32 483.92,751.85 466.76,734.69 444.76,734.69 440.76,730.69 440.76,687.69 444.76,683.69 456.76,683.69 461.76,688.69 461.76,715.69 465.76,719.69 481.76,719.69 485.76,715.69 485.76,688.69 489.63,684.82 502.89,684.82 506.76,688.69 506.76,713.69 510.38,717.31 525.14,717.31 528.76,713.69 528.76,689.82 533.76,684.82 546.63,684.82 589.76,641.69 v1(618.76,641.69)
DRAM_A6: U1.P6 U2.G3 | length 1018.3
  TOP01 w5: v1(640.76,884.69) 640.76,932.9 U1.P6@653.36,945.51 ; v1(654.52,543.46) U2.G3@670.28,559.21
  BOTT06 w5: v1(640.76,884.69) 549.76,884.69 543.76,878.69 543.76,873.69 543.76,870.31 547.14,866.94 604.36,866.94 607.73,863.56 607.73,856.81 604.36,853.43 543.76,853.43 540.03,853.43 536.66,850.06 536.66,843.31 540.03,839.93 543.76,839.93 604.36,839.93 607.73,836.55 607.73,829.8 604.36,826.43 543.76,826.43 540.42,826.43 537.04,823.05 537.04,816.3 540.42,812.92 543.76,812.92 604.36,812.92 607.73,809.55 607.73,802.79 604.36,799.42 547.14,799.42 543.76,796.04 543.76,793.69 543.76,784.69 548.76,779.69 630.76,779.69 639.16,771.29 639.16,707.31 639.16,632.09 622.76,615.69 622.76,575.22 v1(654.52,543.46)
DRAM_A7: U1.N6 U2.H1 | length 1057.5
  TOP01 w5: v1(640.56,958.3) U1.N6@653.35,971.1 ; U2.H1@701.77,496.22 701.77,471.68 732.76,440.69 840.76,440.69 852.76,452.69 852.76,458.69 848.76,462.69 836.76,462.69 828.76,454.69 819.76,454.69 811.76,462.69 797.76,462.69 789.76,454.69 778.76,454.69 770.76,462.69 760.76,462.69 752.76,454.69 743.3,454.69 v1(717.52,480.47)
  SIG04 w5: v1(640.56,958.3) 650.76,948.1 650.76,929.1 640.76,919.1 640.76,904.69 655.76,889.69 655.76,864.69 731.76,788.69 731.76,712.69 764.76,679.69 764.76,655.69 779.76,640.69 820.02,640.69 825.76,634.95 825.76,600.69 818.76,593.69 778.76,593.69 770.76,585.69 770.76,576.69 785.76,561.69 785.76,533.69 749.76,497.69 734.74,497.69 v1(717.52,480.47)
DRAM_A8: U1.R7 U2.H2 | length 1018.7
  TOP01 w5: v1(678.76,884.69) 678.76,919.73 U1.R7@678.94,919.92 ; U2.H2@701.77,527.72 v1(717.52,511.97)
  BOTT06 w5: v1(678.76,884.69) 678.76,863.69 716.76,825.69 716.76,631.69 704.76,619.69 704.76,602.69 712.76,594.69 712.76,564.69 669.89,521.82 669.89,447.56 680.76,436.69 683.76,436.69 687.14,436.69 690.51,440.07 690.51,448.82 693.89,452.2 700.64,452.2 704.02,448.82 704.02,440.07 707.39,436.69 714.14,436.69 717.52,440.07 717.52,448.82 720.9,452.2 727.65,452.2 731.02,448.82 731.02,436.69 731.02,424.56 734.4,421.18 741.15,421.18 744.53,424.56 744.53,436.69 744.53,448.82 747.9,452.2 754.66,452.2 758.03,448.82 758.03,436.69 758.03,424.56 761.41,421.18 768.16,421.18 771.54,424.56 771.54,433.31 774.91,436.69 800.76,436.69 805.76,441.69 805.76,459.69 800.76,464.69 694.76,464.69 683.76,475.69 683.76,504.69 691.04,511.97 v1(717.52,511.97)
DRAM_A9: U1.P7 U2.J3 | length 1019.6
  TOP01 w5: v1(666.16,932.72) U1.P7@678.95,945.51 ; U2.J3@733.27,559.21 v1(749.01,543.46)
  BOTT06 w5: v1(666.16,932.72) 698.76,900.11 698.76,882.69 732.76,848.69 732.76,846.69 732.76,842.06 737.39,837.44 752,837.44 756.63,832.81 756.63,823.56 752,818.93 732.76,818.93 732.07,818.93 727.45,814.31 727.45,805.06 732.07,800.43 732.76,800.43 752,800.43 756.63,795.8 756.63,786.55 752,781.93 737.39,781.93 732.76,777.3 732.76,763.94 732.76,757.69 732.76,753.06 737.39,748.44 752.19,748.44 756.82,743.81 756.82,734.56 752.19,729.93 732.76,729.93 731.89,729.93 727.26,725.31 727.26,716.06 731.89,711.43 732.76,711.43 752.19,711.43 756.82,706.8 756.82,697.55 752.19,692.93 737.39,692.93 732.76,688.3 732.76,676.69 732.76,624.69 732.76,621.31 736.14,617.94 783.44,617.94 786.82,614.56 786.82,607.81 783.44,604.43 732.76,604.43 730.64,604.43 727.26,601.06 727.26,594.31 730.64,590.93 732.76,590.93 783.44,590.93 786.82,587.55 786.82,580.8 783.44,577.43 736.14,577.43 732.76,574.05 732.76,566.69 737.76,561.69 785.76,561.69 792.76,554.69 792.76,504.69 784.76,496.69 756.76,496.69 749.01,504.44 v1(749.01,543.46)
DRAM_A10: U1.N7 U2.G7 | length 1034
  TOP01 w5: v1(666.15,958.31) U1.N7@678.94,971.1 ; U2.G7@670.28,685.2 v1(686.03,669.45)
  BOTT06 w5: v1(666.15,958.31) 624.53,916.69 548.76,916.69 543.76,911.69 543.76,902.69 546.76,899.69 653.76,899.69 660.76,892.69 660.76,865.43 655.76,860.43 631.2,860.43 627.82,857.06 627.82,850.31 631.2,846.93 660.76,846.93 681.38,846.93 684.76,843.55 684.76,836.8 681.38,833.43 660.76,833.43 631.2,833.43 627.82,830.05 627.82,823.3 631.2,819.92 660.76,819.92 690.32,819.92 693.7,816.55 693.7,809.79 690.32,806.42 660.76,806.42 631.2,806.42 627.82,803.04 627.82,796.29 631.2,792.91 657.38,792.91 691.54,792.91 694.76,789.69 694.76,781.69 692.13,779.06 680.39,779.06 670.76,769.43 670.76,753.69 670.76,750.31 674.14,746.94 694.63,746.94 698.01,743.56 698.01,736.81 694.63,733.43 670.76,733.43 656.89,733.43 653.51,730.06 653.51,723.31 656.89,719.93 667.38,719.93 670.65,716.67 670.65,677.58 661.76,668.69 661.76,643.69 667.76,637.69 678.76,637.69 686.03,644.96 v1(686.03,669.45)
DRAM_A11: U1.M7 U2.H9 | length 1065.4
  TOP01 w3.5: v1(666.15,983.89) 666.15,1011.08 676.76,1021.69 716.76,1021.69 718.76,1019.69 718.76,1013.69 715.92,1010.85 693.1,1010.85 U1.M7@678.94,996.69
  TOP01 w5: v1@686.02,763.94 U2.H9@701.77,748.19
  SIG03 w3.5: v1(666.15,983.89) 678.61,971.43 773.27,971.43 780.96,963.74 780.96,925.89 771.76,916.69 733.76,916.69 725.76,924.69 725.76,939.69 720.76,944.69 703.76,944.69 700.76,947.69 700.76,956.31 696.38,960.69 685.15,960.69 680.76,956.3 680.76,937.69 686.76,931.69 709.76,931.69 713.76,927.69 713.76,919.53 710.92,916.69 696.76,916.69 693.76,913.69 693.76,907.69 697.76,903.69 732.76,903.69 736.76,899.69 736.76,892.69 732.76,888.69 702.76,888.69
  SIG03 w5: v1(686.76,763.69) 686.76,779.95 681.02,785.69 571.76,785.69 568.76,788.69 568.76,795.69 573.76,800.69 683.76,800.69 686.02,802.95 686.02,814.69 682.02,818.69 649.76,818.69 646.76,821.69 646.76,831.69 650.76,835.69 677.76,835.69 686.02,843.95 686.02,851.95 697.76,863.69 697.76,883.69 702.76,888.69
DRAM_BA0: U1.K14 U2.J7 | length 1061.5
  TOP01 w5: U2.J7@733.27,685.2 733.27,659.18 738.39,654.06 755.39,654.06 768.76,640.69 768.76,609.69 776.76,601.69 822.76,601.69 825.76,604.69 825.76,611.69 822.76,614.69 796.1,614.69 788.76,622.03 788.76,637.69 757,669.45 v1(749.02,669.45) ; U1.K14@858.08,1047.87 870.26,1035.69 v1(870.76,1035.69)
  SIG03 w3.5: v1@871.12,1035.33 897.76,1008.69 897.76,976.69 902.76,971.69 907.76,971.69 912.76,976.69 912.76,989.69 916.76,993.69 921.76,993.69 942.76,972.69 942.76,964.69 938.76,960.69 915.76,960.69 912.76,957.69 912.76,952.69 916.76,948.69 928.99,948.69 932.99,944.69 932.99,937.92 919.76,924.69
  SIG03 w5: v1(749.02,669.45) 749.02,700.95 753.76,705.69 775.76,705.69 780.51,700.94 780.51,689.94 783.76,686.69 795.76,686.69 798.52,689.45 798.52,701.37 801.9,704.75 808.65,704.75 812.02,701.37 812.02,687.07 815.4,683.69 822.15,683.69 825.53,687.07 825.53,701.37 828.9,704.75 835.66,704.75 839.03,701.37 839.03,687.07 842.41,683.69 852.54,683.69 853.76,683.69 854.76,683.69 863.76,692.69 863.76,706.69 858.76,711.69 846.76,711.69 843.76,714.69 843.76,723.69 857.76,737.69 857.76,756.69 863.76,762.69 877.76,762.69 884.76,769.69 884.76,783.69 919.76,818.69 919.76,821.69 919.76,878.35 924.34,882.93 930.82,889.41 930.82,894.96 924.34,901.44 919.76,906.02 919.76,910.69 919.76,924.69
DRAM_BA1: U1.K13 U2.H8 | length 1015.7
  TOP01 w5: v1(686.02,700.94) U2.H8@701.77,716.69 ; v1(819.69,1060.66) U1.K13@832.49,1047.87
  SIG03 w3.5: v1(845.28,1035.08) 877.02,1003.33 877.02,952.43 882.76,946.69 882.76,925.69
  SIG03 w5: v1(686.02,700.94) 714.01,700.94 729.76,716.69 819.76,716.69 846.76,743.69 846.76,765.69 906.76,825.69 906.76,899.83 882.57,924.02 882.57,924.85
  BOTT06 w3.5: 794.76,1011.69 809.43,997.02 825.12,997.02 825.79,997.02 866.09,997.02
  BOTT06 w5: 794.76,1011.69 794.76,1037.69 v1@818.76,1061.69 ; v1(845.28,1035.08) 887.76,1077.56 887.76,1108.69 896.76,1117.69 923.76,1117.69 928.76,1112.69 928.76,1101.69 924.76,1097.69 914.76,1097.69 910.76,1093.69 910.76,1082.69 914.76,1078.69 922.76,1078.69 928.76,1072.69 928.76,1059.69 924.76,1055.69 901.76,1055.69 895.76,1049.69 895.76,1026.69 866.09,997.02
DRAM_CAS: U1.B7 U2.K7 | length 1053.1
  TOP01 w5: U1.B7@678.95,1252.6 v1(691.74,1265.41) ; U2.K7@764.76,685.2 v1(780.51,669.45)
  SIG04 w5: v1(691.74,1265.41) 691.74,1350.67 699.76,1358.69 734.76,1358.69 739.76,1353.69 739.76,1348.69 739.76,1342.65 737.06,1339.95 724.31,1339.95 721.61,1337.25 721.61,1329.15 724.31,1326.45 739.76,1326.45 754.03,1326.45 756.73,1323.75 756.73,1315.65 754.03,1312.95 739.76,1312.95 724.31,1312.95 721.61,1310.24 721.61,1302.14 724.31,1299.44 737.06,1299.44 739.76,1296.74 739.76,1292.69 739.76,1290.69 719.76,1270.69 719.76,1112.69 738.76,1093.69 738.76,1029.69 723.76,1014.69 704.76,1014.69 695.76,1005.69 695.76,857.69 765.76,787.69 765.76,756.69 746.76,737.69 746.76,718.76 780.51,685.01 v1(780.51,669.45)
DRAM_CLK: U1.H14 U2.J1 | length 1060.6
  TOP01 w5: U2.J1@733.27,496.22 v1@749.01,480.47 ; U1.H14@858.08,1099.06 v1@870.21,1086.93
  SIG04 w3.5: 714.76,927.69 729.79,942.72 729.79,990.28 755.39,1015.88
  SIG04 w5: 714.76,927.69 714.76,861.69 777.76,798.69 777.76,752.69 761.76,736.69 761.76,723.69 797.76,687.69 797.76,662.69 808.76,651.69 832.76,651.69 838.76,645.69 838.76,595.69 795.76,552.69 795.76,527.22 v1(749.01,480.47) ; 755.39,1015.88 788.95,1015.88 796.26,1023.19 796.26,1132.19 806.76,1142.69 901.26,1142.69 906.49,1137.45 906.49,1117.42 899.76,1110.69 877.88,1110.69 870.88,1103.69 v1(870.88,1086.93) ; v1@866,1086.93 v1@869.76,1090.69
DRAM_CLKE: U1.P5 U2.J2 | length 1054
  TOP01 w5: v1(614.97,932.7) U1.P5@627.76,945.51 ; v1@717.51,543.47 U2.J2@733.27,527.72
  SIG04 w5: v1(614.97,932.7) 614.76,932.5 614.76,861.69 702.76,773.69 702.76,658.69 698.15,654.08 682.15,654.08 679.76,651.69 679.76,641.69 681.76,639.69 727.76,639.69 731.76,635.69 731.76,628.69 727.76,624.69 684.76,624.69 682.76,622.69 682.76,612.69 685.76,609.69 749.76,609.69 766.76,626.69 807.76,626.69 810.76,623.69 810.76,615.69 807.76,612.69 774.76,612.69 758.76,596.69 686.76,596.69 682.76,592.69 682.76,563.95 687.02,559.69 695.76,559.69 699.14,559.69 702.51,563.07 702.51,573.03 705.89,576.4 712.64,576.4 716.02,573.03 716.02,559.69 716.02,559.59 719.39,556.21 726.14,556.21 729.52,559.59 729.52,559.69 729.52,573.03 732.9,576.4 739.65,576.4 743.02,573.03 743.02,563.07 746.4,559.69 765.76,559.69 771.76,553.69 771.76,538.69 759.76,526.69 734.29,526.69 v1(717.51,543.47)
DRAM_CS: R8.2 U1.N5 U2.J8 | length 1132.4
  TOP01 w5: v1(615.76,958.69) v1@616.16,958.69 ; v1@616.76,958.09 v1@616.16,958.69 ; U1.N5@627.76,971.1 615.76,959.09 v1@616.16,958.69 ; U2.J8@733.27,716.69 717.36,700.79 717.36,652.29 707.76,642.69 707.76,587.69 718.76,576.69 904.76,576.69 906.76,578.69 906.76,586.69 903.76,589.69 731.76,589.69 724.76,596.69 724.76,621.69 728.76,625.69 737.76,625.69 741.76,621.69 741.76,604.69 744.76,601.69 753.76,601.69 757.76,605.69 757.76,629.69 v1(748.76,638.69)
  SIG04 w5: v1(615.76,958.69) 615.76,957.52 631.76,941.52 631.76,926.69 624.76,919.69 624.76,870.64 715.76,779.64 715.76,671.69 v1(748.76,638.69)
  BOTT06 w5: v1(748.76,638.69) 764.76,654.69 764.76,684.69 R8.2@781.76,701.69
DRAM_D0: U1.M14 U2.R8 | length 1268.3
  TOP01 w5: U1.M14@858.08,996.69 870.86,983.89 901.56,983.89 910.76,974.69 910.76,907.69 925.76,892.69 1059.76,892.69 1062.76,895.69 v2(1062.76,896.69) ; U2.R8@922.24,716.69 938.24,732.69 1014.76,732.69 1028.76,718.69 1028.76,587.69 1023.76,582.69 997.76,582.69 994.76,579.69 994.76,569.69 997.76,566.69 1034.76,566.69 1045.76,577.69 1045.76,689.69 1049.76,693.69 1060.76,693.69 1064.76,689.69 1064.76,569.69 1068.76,565.69 1078.76,565.69 1081.76,568.69 1081.76,695.69 v2@1044.76,732.69
  SIG03 w5: v2@1044.76,732.69 v2(1047.76,735.69) 1047.76,881.69 v2(1062.76,896.69)
DRAM_D1: U1.L14 U2.N7 | length 1264.3
  TOP01 w5: U1.L14@858.08,1022.28 870.88,1009.49 894.97,1009.49 922.17,1036.69 978.16,1036.69 980.76,1034.09 980.76,1026.69 978.76,1024.69 926.76,1024.69 922.76,1020.69 922.76,1015.34 926.41,1011.69 1002.76,1011.69 1006.76,1007.69 1006.76,1002.69 1002.76,998.69 936.76,998.69 933.76,995.69 933.76,988.69 936.76,985.69 1029.62,985.69 1033.76,981.55 1033.76,974.69 1029.76,970.69 941.76,970.69 937.76,966.69 937.76,960.57 941.64,956.69 1051.76,956.69 1057.76,950.69 1057.76,940.69 1051.76,934.69 1030.76,934.69 1021.76,943.69 1013.76,943.69 1008.76,938.69 1008.76,922.69 1003.76,917.69 997.76,917.69 993.76,921.69 993.76,937.69 987.76,943.69 982.76,943.69 977.76,938.69 977.76,921.69 973.76,917.69 964.76,917.69 962.76,919.69 962.76,937.69 956.76,943.69 945.76,943.69 940.76,938.69 v1(940.76,924.69) ; U2.N7@859.25,685.2 v1(875,669.45)
  SIG03 w5: v1(875,669.45) 875,706.93 897.76,729.69 897.76,777.69 940.76,820.69 v1(940.76,924.69)